# KiCad board kim-1.kicad_pcb (continued)
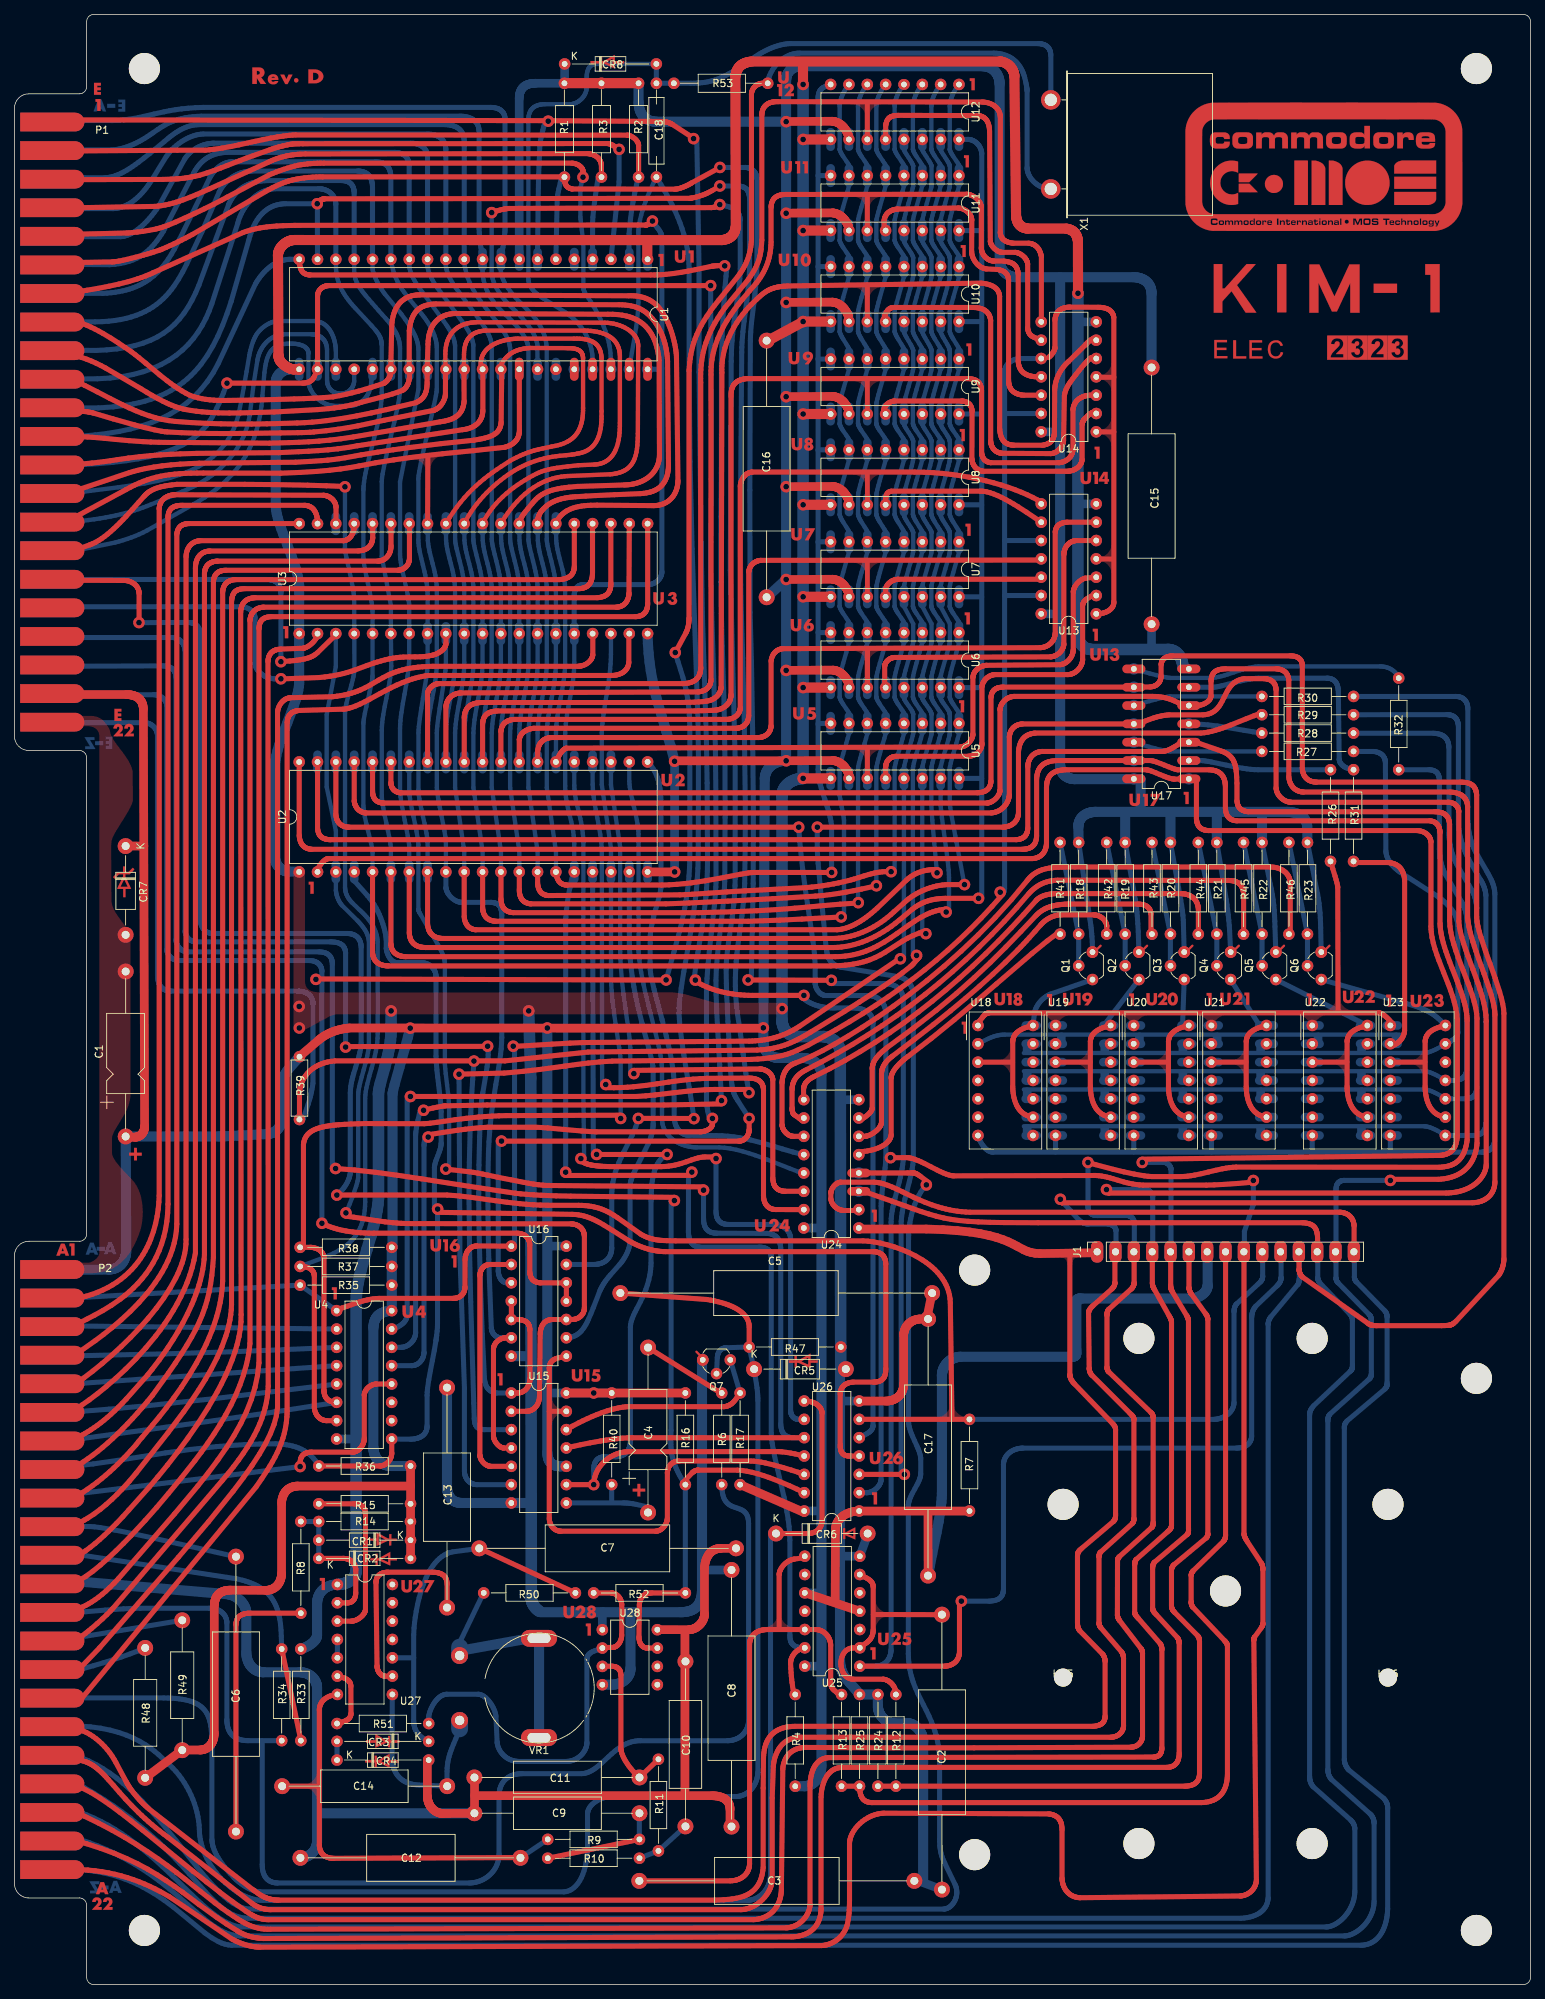
[diagram p0: board, top side]
## Routing (per net, layer and track width the routed paths; a pad name or vN(x,y) marks a point on that pad's centre or on a via; arc(x,y) is an arc through that point) (continued)
Net-(Q1-B): length 17.4
  Bottom w0.7: 144.83,158.27 147.41,145.55 147.41,141.15
Net-(Q1-C): length 31.9
  Top w0.7: 141.09,120.2 140.87,120.24 140.66,120.28 140.47,120.34 140.28,120.41 140.11,120.49 139.94,120.58 139.79,120.68 139.64,120.79 139.51,120.9 139.38,121.03 139.26,121.16 139.15,121.3 139.05,121.44 138.96,121.59 138.87,121.74 138.79,121.9 138.65,122.22 138.54,122.56 138.45,122.89 138.38,123.22 138.33,123.55 138.3,123.86 138.28,124.15 138.28,124.43 138.28,130.64 138.28,130.77 138.3,130.89 138.32,131 138.35,131.11 138.38,131.22 138.42,131.33 138.47,131.43 138.53,131.52 138.59,131.61 138.65,131.7 138.72,131.79 138.8,131.87 138.88,131.95 138.97,132.02 139.15,132.16 139.36,132.29 139.57,132.4 139.8,132.51 140.05,132.6 140.3,132.68 140.55,132.76 140.82,132.82 141.09,132.88 ; 133.48,127.82 138.25,127.82
  Bottom w0.7: 141.08,132.9 141.28,134.55 141.29,134.65 141.31,134.75 141.36,134.95 141.43,135.15 141.51,135.34 141.62,135.54 141.73,135.74 141.86,135.93 142.01,136.12 142.16,136.3 142.33,136.47 142.51,136.63 142.7,136.78 142.9,136.92 143.1,137.05 143.32,137.16 143.43,137.22 143.54,137.26 149.31,139.26
Net-(Q2-B): length 17.4
  Bottom w0.7: 153.85,141.17 153.85,145.55 151.29,158.27
Net-(Q2-C): length 28.5
  Top w0.7: 144.23,127.82 149,127.82 ; 151.84,132.88 151.57,132.82 151.3,132.76 151.05,132.68 150.8,132.6 150.55,132.51 150.32,132.4 150.11,132.29 149.9,132.16 149.72,132.02 149.63,131.95 149.55,131.87 149.47,131.79 149.4,131.7 149.34,131.61 149.28,131.52 149.22,131.43 149.17,131.33 149.13,131.22 149.1,131.11 149.07,131 149.05,130.89 149.03,130.77 149.03,130.64 149.03,124.43 149.03,124.15 149.05,123.86 149.08,123.55 149.13,123.22 149.2,122.89 149.29,122.56 149.4,122.22 149.54,121.9 149.62,121.74 149.71,121.59 149.8,121.44 149.9,121.3 150.01,121.16 150.13,121.03 150.26,120.9 150.39,120.79 150.54,120.68 150.69,120.58 150.86,120.49 151.03,120.41 151.22,120.34 151.41,120.28 151.62,120.24 151.84,120.2
  Bottom w0.7: 155.74,139.27 150.87,132.89
Net-(Q3-B): length 17.4
  Bottom w0.7: 160.12,141.17 160.12,145.55 157.55,158.27
Net-(Q3-C): length 26.9
  Top w0.7: 162.66,132.88 162.39,132.82 162.12,132.76 161.87,132.68 161.62,132.6 161.37,132.51 161.14,132.4 160.93,132.29 160.72,132.16 160.54,132.02 160.45,131.95 160.37,131.87 160.29,131.79 160.22,131.7 160.16,131.61 160.1,131.52 160.04,131.43 159.99,131.33 159.95,131.22 159.92,131.11 159.89,131 159.87,130.89 159.85,130.77 159.85,130.64 159.85,124.43 159.85,124.15 159.87,123.86 159.9,123.55 159.95,123.22 160.02,122.89 160.11,122.56 160.22,122.22 160.36,121.9 160.44,121.74 160.53,121.59 160.62,121.44 160.72,121.3 160.83,121.16 160.95,121.03 161.08,120.9 161.21,120.79 161.36,120.68 161.51,120.58 161.68,120.49 161.85,120.41 162.04,120.34 162.23,120.28 162.44,120.24 162.66,120.2 ; 155.05,127.82 159.82,127.82
  Bottom w0.7: 162.03,139.27 161.79,132.88
Net-(Q4-B): length 17.4
  Bottom w0.7: 163.98,158.27 166.55,145.55 166.55,141.16
Net-(Q4-C): length 28
  Top w0.7: 173.43,120.2 173.21,120.24 173,120.28 172.81,120.34 172.62,120.41 172.45,120.49 172.28,120.58 172.13,120.68 171.98,120.79 171.85,120.9 171.72,121.03 171.6,121.16 171.49,121.3 171.39,121.44 171.3,121.59 171.21,121.74 171.13,121.9 170.99,122.22 170.88,122.56 170.79,122.89 170.72,123.22 170.67,123.55 170.64,123.86 170.62,124.15 170.62,124.43 170.62,130.64 170.62,130.77 170.64,130.89 170.66,131 170.69,131.11 170.72,131.22 170.76,131.33 170.81,131.43 170.87,131.52 170.93,131.61 170.99,131.7 171.06,131.79 171.14,131.87 171.22,131.95 171.31,132.02 171.49,132.16 171.7,132.29 171.91,132.4 172.14,132.51 172.39,132.6 172.64,132.68 172.89,132.76 173.16,132.82 173.43,132.88 ; 165.82,127.82 170.59,127.82
  Bottom w0.7: 168.46,139.26 172.45,132.91
Net-(Q5-B): length 17.4
  Bottom w0.7: 172.81,141.16 172.81,145.55 170.24,158.27
Net-(Q5-C): length 34.7
  Top w0.7: 179.79,127.82 184.56,127.82 ; 187.4,132.88 187.13,132.82 186.86,132.76 186.61,132.68 186.36,132.6 186.11,132.51 185.88,132.4 185.67,132.29 185.46,132.16 185.28,132.02 185.19,131.95 185.11,131.87 185.03,131.79 184.96,131.7 184.9,131.61 184.84,131.52 184.78,131.43 184.73,131.33 184.69,131.22 184.66,131.11 184.63,131 184.61,130.89 184.59,130.77 184.59,130.64 184.59,124.43 184.59,124.15 184.61,123.86 184.64,123.55 184.69,123.22 184.76,122.89 184.85,122.56 184.96,122.22 185.1,121.9 185.18,121.74 185.27,121.59 185.36,121.44 185.46,121.3 185.57,121.16 185.69,121.03 185.82,120.9 185.95,120.79 186.1,120.68 186.25,120.58 186.42,120.49 186.59,120.41 186.78,120.34 186.97,120.28 187.18,120.24 187.4,120.2
  Bottom w0.7: Q5.1 187.39,132.9
Net-(Q6-B): length 17.4
  Bottom w0.7: 176.53,158.26 179.1,145.55 179.1,141.15
Net-(Q6-C): length 39
  Top w0.7: 190.6,127.82 195.37,127.82 ; 198.21,132.88 197.94,132.82 197.67,132.76 197.42,132.68 197.17,132.6 196.92,132.51 196.69,132.4 196.48,132.29 196.27,132.16 196.09,132.02 196,131.95 195.92,131.87 195.84,131.79 195.77,131.7 195.71,131.61 195.65,131.52 195.59,131.43 195.54,131.33 195.5,131.22 195.47,131.11 195.44,131 195.42,130.89 195.4,130.77 195.4,130.64 195.4,124.43 195.4,124.15 195.42,123.86 195.45,123.55 195.5,123.22 195.57,122.89 195.66,122.56 195.77,122.22 195.91,121.9 195.99,121.74 196.08,121.59 196.17,121.44 196.27,121.3 196.38,121.16 196.5,121.03 196.63,120.9 196.76,120.79 196.91,120.68 197.06,120.58 197.23,120.49 197.4,120.41 197.59,120.34 197.78,120.28 197.99,120.24 198.21,120.2
  Bottom w0.7: 198.19,132.9 197.95,133.16 197.72,133.4 197.49,133.62 197.26,133.84 197.02,134.03 196.79,134.22 196.54,134.4 196.29,134.56 196.03,134.72 195.76,134.87 195.48,135.01 195.18,135.14 194.86,135.28 194.52,135.4 194.16,135.53 193.78,135.66 181,139.27
Net-(Q7-C): length 30.3
  Top w0.7: 100.52,81.97 100.3,81.64 100.07,81.31 99.95,81.15 99.83,81 99.71,80.85 99.58,80.71 99.44,80.59 99.37,80.52 99.3,80.47 99.22,80.41 99.15,80.36 99.07,80.31 98.99,80.27 98.9,80.23 98.81,80.2 98.72,80.17 98.63,80.14 98.54,80.12 98.44,80.1 98.34,80.09 98.23,80.08 84.97,80.08 84.63,80.05 84.28,80.01 83.93,79.96 83.57,79.89 83.21,79.81 82.85,79.72 82.12,79.5 81.4,79.26 80.7,78.99 80.02,78.71 79.37,78.42 78.76,78.14 78.2,77.86 77.28,77.38 76.46,76.91
  Bottom w0.7: 100.51,81.97 99.15,86.56
Net-(R15-Pad1): length 25.1
  Top w0.7: 44.75,50.36 46.63,50.36 46.72,50.36 46.8,50.37 46.89,50.38 46.97,50.4 47.06,50.42 47.15,50.44 47.23,50.48 47.32,50.51 47.4,50.55 47.49,50.59 47.57,50.63 47.65,50.68 47.73,50.73 47.81,50.79 47.95,50.9 48.09,51.02 48.16,51.08 48.22,51.15 48.27,51.21 48.33,51.28 48.38,51.35 48.42,51.42 48.47,51.48 48.5,51.55 48.54,51.62 48.56,51.69 48.59,51.76 48.6,51.82 48.61,51.89 48.62,51.95 48.62,65.07 48.62,65.19 48.61,65.3 48.6,65.41 48.58,65.51 48.56,65.61 48.54,65.7 48.51,65.79 48.48,65.87 48.44,65.94 48.41,66.01 48.37,66.08 48.32,66.14 48.28,66.19 48.23,66.24 48.18,66.29 48.12,66.33 48.06,66.37 48,66.41 47.94,66.44 47.88,66.47 47.81,66.5 47.74,66.52 47.6,66.56 47.46,66.58 47.3,66.6 47.14,66.61 46.98,66.62 42.17,66.62
Net-(R26-Pad1): length 19.7
  Bottom w0.7: 162.66,169.6 164.27,169.61 164.57,169.6 164.93,169.56 165.33,169.49 165.78,169.41 167.85,168.98 168.99,168.75 170.13,168.54 170.69,168.46 171.24,168.39 171.76,168.35 172.26,168.34 182.29,168.34
Net-(R27-Pad1): length 17.9
  Bottom w0.6: 172.78,170.87 160.11,170.88 159.86,170.9 159.55,170.94 159.2,171.01 158.82,171.09 157.99,171.29 157.14,171.53 156.34,171.76 155.68,171.95 155.06,172.15
Net-(R28-Pad1): length 10.2
  Bottom w0.7: 172.78,173.41 171.53,173.6 170.3,173.8 167.85,174.22 166.6,174.4 165.33,174.55 164.69,174.61 164.03,174.65 163.36,174.68 162.67,174.69
Net-(R29-Pad1): length 177.5
  Top w0.7: 172.25,176.02 171.72,175.83 170.63,175.4 168.46,174.53 167.39,174.13 166.86,173.95 166.34,173.8 165.82,173.66 165.32,173.55 164.82,173.47 164.34,173.42 141.4,173.42 141.26,173.4 141.13,173.38 141,173.36 140.88,173.33 140.76,173.3 140.64,173.26 140.53,173.22 140.42,173.18 140.32,173.13 140.22,173.07 140.13,173.01 140.04,172.95 139.95,172.88 139.87,172.81 139.79,172.73 139.72,172.65 139.65,172.57 139.59,172.48 139.52,172.39 139.47,172.29 139.41,172.19 139.36,172.08 139.32,171.97 139.27,171.86 139.2,171.62 139.14,171.37 139.1,171.1 139.07,170.81 139.07,162.37 139.06,162.26 139.05,162.16 139.04,162.05 139.02,161.95 138.99,161.86 138.97,161.76 138.93,161.67 138.9,161.58 138.86,161.49 138.81,161.41 138.77,161.33 138.71,161.25 138.66,161.17 138.6,161.1 138.53,161.03 138.46,160.96 138.39,160.9 138.32,160.84 138.24,160.78 138.16,160.73 138.07,160.68 137.98,160.64 137.89,160.59 137.79,160.55 137.69,160.52 137.59,160.49 137.48,160.46 137.37,160.44 137.26,160.42 137.14,160.4 137.02,160.39 136.9,160.38 111.2,160.38 ; 117.03,70.7 123.26,70.7
  Bottom w0.7: 122.81,70.7 122.81,105.17 122.83,105.78 122.88,106.4 122.97,107.02 123.08,107.64 123.2,108.26 123.35,108.88 123.66,110.11 123.97,111.31 124.24,112.47 124.35,113.03 124.43,113.58 124.49,114.11 124.51,114.63 124.51,137.05 124.5,137.18 124.5,137.31 124.48,137.44 124.47,137.56 124.44,137.68 124.42,137.8 124.39,137.92 124.35,138.03 124.31,138.13 124.27,138.24 124.22,138.34 124.17,138.43 124.11,138.53 124.06,138.62 123.99,138.71 123.93,138.79 123.86,138.87 123.79,138.94 123.72,139.02 123.65,139.09 123.57,139.15 123.49,139.21 123.41,139.27 123.33,139.33 123.24,139.38 123.16,139.43 123.07,139.47 122.98,139.51 122.89,139.54 122.8,139.58 122.71,139.6 122.62,139.63 114.58,140.95 114.41,140.99 114.25,141.04 114.09,141.09 113.95,141.15 113.81,141.21 113.69,141.28 113.57,141.35 113.46,141.42 113.36,141.5 113.26,141.58 113.18,141.66 113.1,141.75 113.02,141.84 112.95,141.93 112.89,142.03 112.84,142.12 112.79,142.23 112.74,142.33 112.66,142.54 112.6,142.76 112.54,142.99 112.5,143.22 112.46,143.46 112.4,143.95 111.65,151.79 111.33,155.32 111.23,156.64 111.19,157.54 111.2,160.37
  vias: v1(111.21,160.38) v1(123.26,70.7)
Net-(R30-Pad1): length 17.9
  Bottom w0.6: 155,177.22 155.67,177.41 157.21,177.85 158.09,178.08 158.92,178.29 159.29,178.37 159.62,178.44 159.9,178.48 160.11,178.49 172.76,178.49
Net-(R31-Pad1): length 34.1
  Bottom w0.7: 162.68,179.77 166,179.76 166.26,179.78 166.56,179.83 166.89,179.89 167.25,179.97 168.04,180.17 168.89,180.4 169.78,180.62 170.23,180.72 170.68,180.82 171.11,180.9 171.54,180.96 171.95,181 172.34,181.03 181.74,181.03 181.84,181.02 181.94,181.02 182.04,181.01 182.13,180.99 182.22,180.98 182.31,180.95 182.39,180.93 182.47,180.9 182.54,180.86 182.62,180.83 182.69,180.79 182.75,180.74 182.81,180.69 182.87,180.64 182.93,180.58 182.98,180.52 183.03,180.46 183.07,180.39 183.11,180.32 183.15,180.25 183.19,180.17 183.22,180.09 183.25,180 183.28,179.92 183.3,179.82 183.32,179.73 183.34,179.63 183.35,179.53 183.36,179.42 183.37,179.31 183.38,179.08 183.49,169.82 183.5,169.74 183.51,169.66 183.53,169.58 183.55,169.51 183.58,169.44 183.61,169.36 183.65,169.3 183.69,169.23 183.74,169.16 183.79,169.1 183.84,169.04 183.9,168.99 183.97,168.93 184.03,168.88 184.1,168.83 184.17,168.78 184.25,168.73 184.32,168.69 184.4,168.65 184.48,168.61 184.64,168.54 184.81,168.48 184.98,168.43 185.15,168.39 185.31,168.36 185.48,168.34
Net-(R32-Pad1): length 37.7
  Bottom w0.6: 155.03,182.29 155.71,182.1 157.26,181.68 158.13,181.45 158.96,181.26 159.65,181.12 159.91,181.07 160.11,181.06 165.6,181.06 166,181.08 166.41,181.13 166.82,181.21 167.23,181.31 167.64,181.42 168.06,181.55 168.91,181.83 169.75,182.11 170.18,182.25 170.6,182.37 171.03,182.47 171.45,182.56 171.87,182.62 172.29,182.66 189.15,182.66 189.4,182.64 189.64,182.62 189.86,182.58 190.07,182.53 190.27,182.46 190.46,182.38 190.64,182.29 190.81,182.19 190.96,182.07 191.11,181.95 191.24,181.82 191.36,181.68 191.47,181.53 191.57,181.37 191.66,181.21 191.74,181.04
Net-(R50-Pad2): length 31
  Bottom w0.7: 64.96,54.23 61.55,47.16
  Bottom w1.4: 72.66,47.95 72.66,34.26 ; 61.66,46.24 70.99,47.92
Net-(U1-R/~{W}): length 242.5
  Top w0.7: 101.77,120 101.77,118.48 101.77,118.4 101.76,118.32 101.75,118.24 101.74,118.16 101.72,118.08 101.7,118.01 101.68,117.93 101.66,117.86 101.63,117.79 101.6,117.72 101.56,117.65 101.52,117.59 101.48,117.52 101.44,117.46 101.4,117.41 101.35,117.35 101.3,117.3 101.25,117.25 101.2,117.2 101.14,117.15 101.08,117.11 101.02,117.07 100.96,117.03 100.9,117 100.83,116.97 100.76,116.95 100.69,116.93 100.62,116.91 100.55,116.89 100.48,116.88 100.41,116.88 100.33,116.88 67.47,116.88 ; 65.99,245.53 66.62,245.71 66.93,245.81 67.24,245.89 67.56,245.97 67.71,246.01 67.87,246.04 68.03,246.06 68.2,246.09 68.36,246.1 68.53,246.11 96.49,246.23 96.56,246.23 96.64,246.24 96.72,246.25 96.8,246.27 96.88,246.28 96.96,246.3 97.05,246.32 97.13,246.35 97.22,246.37 97.3,246.4 97.38,246.44 97.46,246.47 97.53,246.51 97.6,246.55 97.66,246.6 97.72,246.64
  Bottom w0.6: 66.1,245.51 66.1,237.1 66.13,236.87 66.17,236.64 66.23,236.39 66.31,236.14 66.4,235.87 66.52,235.6 66.65,235.31 66.81,235.02 66.98,234.73 67.17,234.43 67.38,234.12 67.6,233.81 67.85,233.5 68.12,233.19 68.41,232.88 68.71,232.56 69.08,232.22 69.43,231.87 69.78,231.52 70.11,231.16 70.43,230.81 70.73,230.45 71.01,230.1 71.27,229.75 71.51,229.4 71.73,229.05 71.92,228.71 72.09,228.37 72.22,228.04 72.33,227.71 72.37,227.56 72.4,227.4 72.42,227.24 72.43,227.09 72.45,223.8
  Bottom w0.7: 101.76,120.05 100.2,122.48 99.98,122.84 99.88,123 99.8,123.17 99.72,123.33 99.65,123.51 99.58,123.69 99.53,123.89 99.47,124.12 99.42,124.37 99.38,124.65 99.34,124.97 99.26,125.73 99.19,126.7 98.82,133.46 98.67,136.88 98.61,138.71 98.58,140.67 98.59,141.36 98.64,142.05 98.78,143.44 98.97,144.87 99.2,146.36 99.42,147.92 99.62,149.58 99.7,150.45 99.76,151.35 99.81,152.29 99.83,153.26 99.83,169.84 99.16,195.99 99.28,224.94 99.3,225.93 99.34,226.88 99.4,227.8 99.48,228.69 99.67,230.38 99.9,231.98 100.13,233.5 100.33,234.96 100.41,235.68 100.47,236.39 100.52,237.09 100.54,237.79 100.52,244.47 100.51,244.63 100.49,244.78 100.47,244.92 100.44,245.06 100.4,245.18 100.35,245.3 100.3,245.41 100.24,245.51 100.18,245.6 100.11,245.69 100.04,245.77 99.95,245.85 99.87,245.92 99.78,245.98 99.69,246.04 99.59,246.09 99.38,246.19 99.16,246.28 98.93,246.35 98.69,246.41 97.7,246.65 ; 67.01,116.88 67.01,98.97 67.01,98.85 67.03,98.71 67.05,98.58 67.07,98.44 67.11,98.3 67.15,98.16 67.21,98.03 67.27,97.9 67.34,97.78 67.38,97.72 67.42,97.66 67.47,97.61 67.52,97.56 67.57,97.51 67.62,97.46 67.68,97.42 67.74,97.38 67.8,97.35 67.87,97.32 67.94,97.29 68.01,97.27 68.09,97.25 68.17,97.24 68.82,97.24
  vias: v1(66.1,245.54) v1(67.46,116.88) v1(97.7,246.65) v1(101.76,120.02)
Net-(U1-Ø2): length 192.9
  Top w0.7: 86.43,120.03 94.14,120.02
  Bottom w0.6: 88.91,250.45 88.52,249.66 88.12,248.79 87.9,248.27 87.66,247.71 87.43,247.11 87.21,246.48 87,245.84 86.81,245.18 86.65,244.54 86.53,243.9 86.48,243.59 86.45,243.28 86.43,242.98 86.42,242.69 86.42,233.08 86.4,232.51 86.37,231.94 86.26,230.78 86.11,229.63 85.93,228.47 85.52,226.15 85.33,224.99 85.16,223.83
  Bottom w0.7: 94.12,120.03 93.82,122.11 93.46,124.31 92.72,128.78 92.41,130.91 92.18,132.87 92.1,133.77 92.06,134.59 92.06,135.34 92.09,135.99 92.36,138.11 92.72,140.36 93.56,145.21 93.98,147.79 94.33,150.47 94.47,151.85 94.59,153.24 94.67,154.66 94.71,156.1 94.74,165.22 94.74,170.12 94.67,175.12 93.87,198.95 93.58,211.02 93.45,223.57 93.45,237.89 93.43,238.51 93.38,239.14 93.31,239.79 93.2,240.46 93.07,241.15 92.9,241.86 92.7,242.59 92.46,243.35 92.18,244.13 91.86,244.94 91.5,245.78 91.08,246.64 90.62,247.54 90.11,248.48 89.54,249.44 88.91,250.45 ; 76.43,99.78 80.26,99.78 80.4,99.79 80.55,99.8 80.68,99.81 80.82,99.83 80.95,99.86 81.08,99.89 81.2,99.93 81.31,99.97 81.43,100.01 81.54,100.06 81.64,100.11 81.74,100.17 81.84,100.23 81.93,100.3 82.01,100.37 82.09,100.45 82.17,100.53 82.24,100.61 82.31,100.7 82.37,100.79 82.43,100.88 82.48,100.98 82.53,101.08 82.57,101.18 82.61,101.29 82.64,101.4 82.67,101.52 82.69,101.63 82.71,101.75 82.72,101.88 82.73,102 82.73,102.13 82.73,109.5 82.75,109.92 82.78,110.32 82.83,110.72 82.88,111.11 83.04,111.86 83.24,112.59 83.47,113.28 83.74,113.95 84.03,114.6 84.33,115.23 85.54,117.64 85.81,118.23 86.05,118.82 86.25,119.42 86.41,120.02
  vias: v1(86.42,120.02) v1(94.12,119.99)
Net-(U2-PA7): length 172.4
  Top w0.7: 59.77,113 62.98,112.63 63.59,112.54 64.22,112.44 64.86,112.31 65.54,112.17 67.03,111.85 67.85,111.69 68.74,111.52 69.95,111.28 70.59,111.15 71.24,111.03 71.9,110.92 72.56,110.83 73.21,110.76 73.54,110.74 73.86,110.73 95.46,110.53 ; 76.45,74.35 77.4,74.57 78.44,74.8 79.73,75.06 81.19,75.32 81.95,75.44 82.71,75.55 83.47,75.64 84.21,75.71 84.92,75.76 85.58,75.78 109.4,75.78
  Bottom w0.6: 54.69,169.46 54.68,165.48 54.7,165.11 54.74,164.72 54.8,164.3 54.87,163.85 55.05,162.9 55.26,161.89 55.48,160.86 55.69,159.83 55.85,158.84 55.91,158.36 55.95,157.91 55.95,149.03 55.96,148.98 55.96,148.92 55.97,148.87 55.99,148.81 56,148.76 56.02,148.71 56.04,148.66 56.07,148.6 56.09,148.55 56.12,148.5 56.18,148.4 56.3,148.19 58.14,145 58.66,144.1 58.9,143.65 59.02,143.42 59.13,143.19 59.23,142.97 59.33,142.74 59.41,142.51 59.48,142.27 59.54,142.04 59.58,141.81 59.61,141.58 59.63,141.34 59.63,127.51 59.67,126.92 59.74,126.23 59.93,124.66 60.11,123.06 60.17,122.33 60.2,121.68 60.2,112.99
  Bottom w0.7: 109.38,75.78 107.96,75.78 107.83,75.78 107.71,75.79 107.59,75.8 107.48,75.82 107.37,75.84 107.27,75.86 107.18,75.89 107.09,75.93 107,75.96 106.92,76.01 106.85,76.05 106.78,76.1 106.71,76.15 106.65,76.21 106.59,76.27 106.54,76.33 106.49,76.39 106.44,76.46 106.4,76.53 106.36,76.61 106.33,76.68 106.3,76.76 106.24,76.93 106.2,77.11 106.17,77.3 106.15,77.49 106.14,77.69 106.14,101.85 106.14,102.1 106.11,102.33 106.1,102.44 106.08,102.55 106.05,102.66 106.02,102.76 105.99,102.86 105.96,102.96 105.92,103.05 105.88,103.14 105.83,103.23 105.78,103.31 105.72,103.39 105.67,103.47 105.6,103.54 105.54,103.61 105.47,103.67 105.39,103.73 105.32,103.78 105.24,103.83 105.15,103.88 105.06,103.92 104.96,103.96 104.87,103.99 104.76,104.02 104.66,104.04 104.55,104.06 104.43,104.07 104.31,104.08 104.19,104.09 97.31,104.12 97.18,104.12 97.05,104.13 96.93,104.14 96.81,104.16 96.7,104.18 96.6,104.21 96.5,104.24 96.41,104.28 96.32,104.32 96.24,104.36 96.16,104.41 96.09,104.46 96.02,104.52 95.95,104.58 95.89,104.64 95.84,104.71 95.79,104.78 95.74,104.85 95.7,104.92 95.66,105 95.62,105.09 95.59,105.17 95.54,105.35 95.5,105.54 95.47,105.73 95.46,105.94 95.45,106.15 95.45,110.07
  vias: v1(59.75,113) v1(95.45,110.08)
Net-(U2-PB0): length 120.7
  Top w0.7: 78.34,114.39 78.38,114.33 78.42,114.27 78.47,114.21 78.53,114.15 78.59,114.09 78.66,114.04 78.73,113.99 78.81,113.94 78.89,113.89 78.98,113.84 79.08,113.8 79.19,113.76 79.3,113.72 79.42,113.68 79.55,113.64 79.69,113.61 79.84,113.57 80,113.54 80.16,113.52 80.34,113.49 80.53,113.47 80.73,113.44 80.93,113.42 81.15,113.4 81.38,113.39 81.88,113.36 82.43,113.35 83.03,113.34 89.59,113.34 90.11,113.36 90.61,113.41 91.08,113.48 91.52,113.56 91.94,113.66 92.33,113.77 93.07,114.01 93.75,114.25 94.39,114.46 94.71,114.55 95.02,114.62 95.33,114.66 95.65,114.68 97.19,114.68
  Bottom w0.6: 78.91,114.45 78.81,123 78.81,158.33 78.78,158.93 78.73,159.51 78.66,160.05 78.58,160.58 78.48,161.09 78.38,161.57 78.16,162.51 77.94,163.41 77.84,163.86 77.75,164.3 77.67,164.75 77.61,165.21 77.57,165.67 77.55,166.15 77.55,169.46
  Bottom w0.7: 97.17,114.46 97.17,107.18 97.18,106.98 97.19,106.79 97.22,106.6 97.26,106.43 97.29,106.34 97.32,106.26 97.35,106.19 97.38,106.11 97.42,106.04 97.47,105.97 97.51,105.91 97.56,105.84 97.61,105.79 97.67,105.73 97.73,105.68 97.8,105.63 97.87,105.58 97.94,105.54 98.02,105.5 98.1,105.47 98.18,105.44 98.27,105.41 98.37,105.39 98.47,105.37 98.57,105.35 98.68,105.34 98.79,105.33 98.91,105.33 105.22,105.33 105.43,105.32 105.64,105.29 105.85,105.25 106.05,105.19 106.24,105.11 106.43,105.02 106.52,104.97 106.61,104.92 106.69,104.86 106.77,104.8 106.85,104.73 106.92,104.67 107,104.59 107.06,104.52 107.13,104.44 107.19,104.36 107.24,104.27 107.29,104.18 107.34,104.09 107.38,103.99 107.41,103.89 107.44,103.79 107.47,103.68 107.49,103.58 107.5,103.46 107.51,103.35 107.51,79.57 107.51,79.44 107.52,79.32 107.53,79.26 107.55,79.21 107.56,79.15 107.58,79.09 107.6,79.04 107.62,78.99 107.64,78.94 107.67,78.88 107.7,78.84 107.73,78.79 107.76,78.74 107.79,78.7 107.83,78.66 107.87,78.62 107.91,78.58 107.95,78.55 107.99,78.51 108.04,78.48 108.09,78.45 108.14,78.43 108.19,78.41 108.24,78.38 108.29,78.37 108.35,78.35 108.41,78.34 108.47,78.33 108.53,78.32 108.59,78.32 109.38,78.31
  vias: v1(78.46,114.46) v1(97.18,114.46)
Net-(U2-PB5): length 68.9
  Bottom w0.7: 76.42,89.62 76.62,89.63 76.81,89.66 77,89.69 77.17,89.73 77.34,89.78 77.5,89.84 77.66,89.91 77.8,89.99 77.95,90.07 78.08,90.17 78.21,90.27 78.33,90.38 78.45,90.5 78.57,90.62 78.78,90.89 78.98,91.19 79.17,91.51 79.35,91.84 79.52,92.2 79.85,92.97 80.18,93.79 81.09,96.13 81.16,96.28 81.23,96.42 81.3,96.57 81.38,96.71 81.45,96.84 81.54,96.98 81.62,97.11 81.71,97.25 81.8,97.38 81.89,97.51 82.09,97.77 82.29,98.03 82.52,98.3 83.8,99.75 84.01,100 84.12,100.15 84.24,100.31 84.36,100.49 84.49,100.69 84.61,100.89 84.72,101.11 84.83,101.34 84.94,101.58 85.03,101.82 85.11,102.07 85.18,102.33 85.23,102.59 85.26,102.85 85.27,103.12 85.27,110.62 85.28,110.79 85.3,110.96 85.33,111.13 85.36,111.29 85.41,111.46 85.46,111.63 85.52,111.8 85.59,111.98 85.74,112.33 85.9,112.69 86.26,113.43 87.79,116.51 87.91,116.78 88.03,117.09 88.15,117.43 88.2,117.61 88.25,117.79 88.3,117.98 88.34,118.17 88.38,118.36 88.41,118.55 88.44,118.74 88.46,118.93 88.47,119.11 88.47,119.3 88.47,126.76 88.43,127.26 88.33,127.86 87.98,129.33 86.91,133.27 86.32,135.65 86.05,136.94 85.79,138.27 85.57,139.65 85.39,141.08 85.25,142.55 85.17,144.06 85.17,154.24
Net-(U2-PB7): length 138.7
  Top w0.7: 76.44,69.27 80.25,69.27 80.26,69.51 80.29,69.75 80.32,69.99 80.37,70.21 80.43,70.44 80.5,70.66 80.58,70.87 80.68,71.08 80.78,71.28 80.89,71.48 81.02,71.67 81.15,71.86 81.29,72.04 81.44,72.21 81.6,72.37 81.77,72.53 81.94,72.68 82.12,72.82 82.31,72.95 82.5,73.08 82.7,73.19 82.9,73.3 83.11,73.4 83.32,73.49 83.54,73.57 83.76,73.64 83.98,73.7 84.21,73.75 84.44,73.79 84.67,73.82 84.9,73.84 85.14,73.85 105.81,73.85 106.06,73.84 106.34,73.82 106.92,73.74 107.52,73.65 108.09,73.54 109.03,73.33 109.41,73.24 ; 80.73,115.03 90.33,115.03
  Bottom w0.7: 80.08,154.23 80.18,115.02 ; 76.42,69.26 80.24,69.28 80.24,71.32 80.24,71.51 80.26,71.7 80.28,71.88 80.3,71.96 80.32,72.04 80.34,72.12 80.37,72.2 80.4,72.28 80.43,72.35 80.46,72.42 80.5,72.49 80.54,72.55 80.59,72.62 80.63,72.67 80.69,72.73 80.74,72.78 80.8,72.83 80.86,72.88 80.93,72.92 81,72.96 81.07,72.99 81.14,73.03 81.23,73.05 81.31,73.08 81.4,73.1 81.49,73.11 81.59,73.13 81.69,73.13 81.79,73.14 83.25,73.14 83.38,73.14 83.51,73.16 83.63,73.17 83.74,73.19 83.86,73.21 83.96,73.24 84.06,73.27 84.16,73.31 84.26,73.35 84.35,73.39 84.43,73.44 84.51,73.5 84.59,73.55 84.66,73.61 84.73,73.68 84.79,73.74 84.85,73.82 84.9,73.89 84.96,73.97 85.01,74.05 85.05,74.14 85.09,74.23 85.13,74.32 85.16,74.42 85.22,74.62 85.26,74.84 85.3,75.06 85.31,75.3 85.31,91.08 85.32,91.28 85.35,91.48 85.44,91.89 85.57,92.31 85.75,92.74 85.96,93.18 86.2,93.64 86.71,94.64 86.97,95.17 87.22,95.74 87.46,96.34 87.68,96.98 87.87,97.65 88.02,98.37 88.08,98.75 88.12,99.14 88.16,99.54 88.18,99.96 88.18,108.59 88.2,109.52 88.22,109.99 88.26,110.46 88.3,110.94 88.36,111.4 88.43,111.86 88.53,112.31 88.65,112.74 88.72,112.95 88.8,113.15 88.88,113.35 88.97,113.54 89.07,113.72 89.18,113.9 89.3,114.07 89.42,114.23 89.56,114.39 89.7,114.54 89.86,114.67 90.03,114.8 90.2,114.92 90.39,115.03
  vias: v1(80.24,69.27) v1(80.63,115.03) v1(90.4,115.03)
Net-(U5-DO): length 50.7
  Top w0.7: 149.8,192.7 149.52,192.57 149.38,192.5 149.22,192.42 149.07,192.34 148.92,192.26 148.77,192.17 148.63,192.08 148.49,191.98 148.43,191.92 148.37,191.87 148.31,191.82 148.26,191.76 148.21,191.7 148.16,191.64 148.12,191.58 148.08,191.52 148.05,191.46 148.02,191.39 147.99,191.33 147.98,191.26 147.96,191.19 147.96,191.11 147.96,183.65 147.95,183.55 147.95,183.45 147.93,183.35 147.91,183.25 147.88,183.15 147.85,183.05 147.82,182.95 147.78,182.86 147.73,182.76 147.68,182.67 147.63,182.58 147.57,182.49 147.51,182.41 147.45,182.33 147.38,182.25 147.31,182.17 147.23,182.1 147.16,182.03 147.08,181.96 146.99,181.9 146.91,181.84 146.82,181.79 146.73,181.74 146.64,181.7 146.55,181.66 146.46,181.62 146.36,181.59 146.27,181.57 146.17,181.55 146.07,181.53 145.97,181.52 145.87,181.52 135.84,181.52 135.75,181.52 135.67,181.51 135.58,181.49 135.49,181.47 135.41,181.45 135.33,181.42 135.25,181.39 135.17,181.36 135.09,181.32 135.01,181.28 134.94,181.24 134.87,181.19 134.8,181.14 134.73,181.09 134.66,181.03 134.6,180.97 134.54,180.91 134.48,180.85 134.42,180.78 134.37,180.72 134.32,180.65 134.28,180.58 134.23,180.51 134.19,180.44 134.16,180.36 134.12,180.29 134.09,180.21 134.07,180.13 134.05,180.06 134.03,179.98 134.02,179.9 134.01,179.82 134.01,172.03 134.01,171.94 134,171.86 133.99,171.77 133.98,171.69 133.96,171.6 133.94,171.52 133.91,171.44 133.88,171.36 133.85,171.28 133.81,171.2 133.77,171.12 133.72,171.05 133.67,170.98 133.62,170.91 133.56,170.84 133.5,170.77 133.43,170.71 133.37,170.65 133.29,170.6 133.22,170.54 133.14,170.49 133.06,170.45 132.97,170.4 132.89,170.36 132.79,170.33 132.7,170.3 132.6,170.27 132.5,170.25 132.4,170.23 132.29,170.21 132.18,170.2 132.07,170.2 122.16,170.2 122.07,170.2 121.99,170.19 121.91,170.18 121.83,170.16 121.75,170.14 121.68,170.12 121.61,170.1 121.54,170.07 121.47,170.04 121.41,170.01 121.35,169.97 121.29,169.93 121.23,169.89 121.18,169.85 121.13,169.8 121.08,169.76 121.04,169.71 120.99,169.65 120.95,169.6 120.91,169.54 120.88,169.48 120.85,169.43 120.82,169.36 120.79,169.3 120.77,169.24 120.75,169.17 120.73,169.1 120.71,169.04 120.7,168.97 120.69,168.9 120.68,168.83 120.68,168.75 120.68,167.1